# Altium PCB Einsy_Rambo.PcbDoc (part 4 of 5)
Units mm, origin at the board's own origin, x right, y up, seen from the top; angles counter-clockwise.
Board outline 105 x 71 mm, 6 copper layers (Top, GND, Signal Layer 1, Supply, Signal Layer 2, Bottom), stack 1.571 mm thick; 439 components, 313 nets, 1472 pads, 965 vias.
Unrouted connection lines stored in the file: 3.
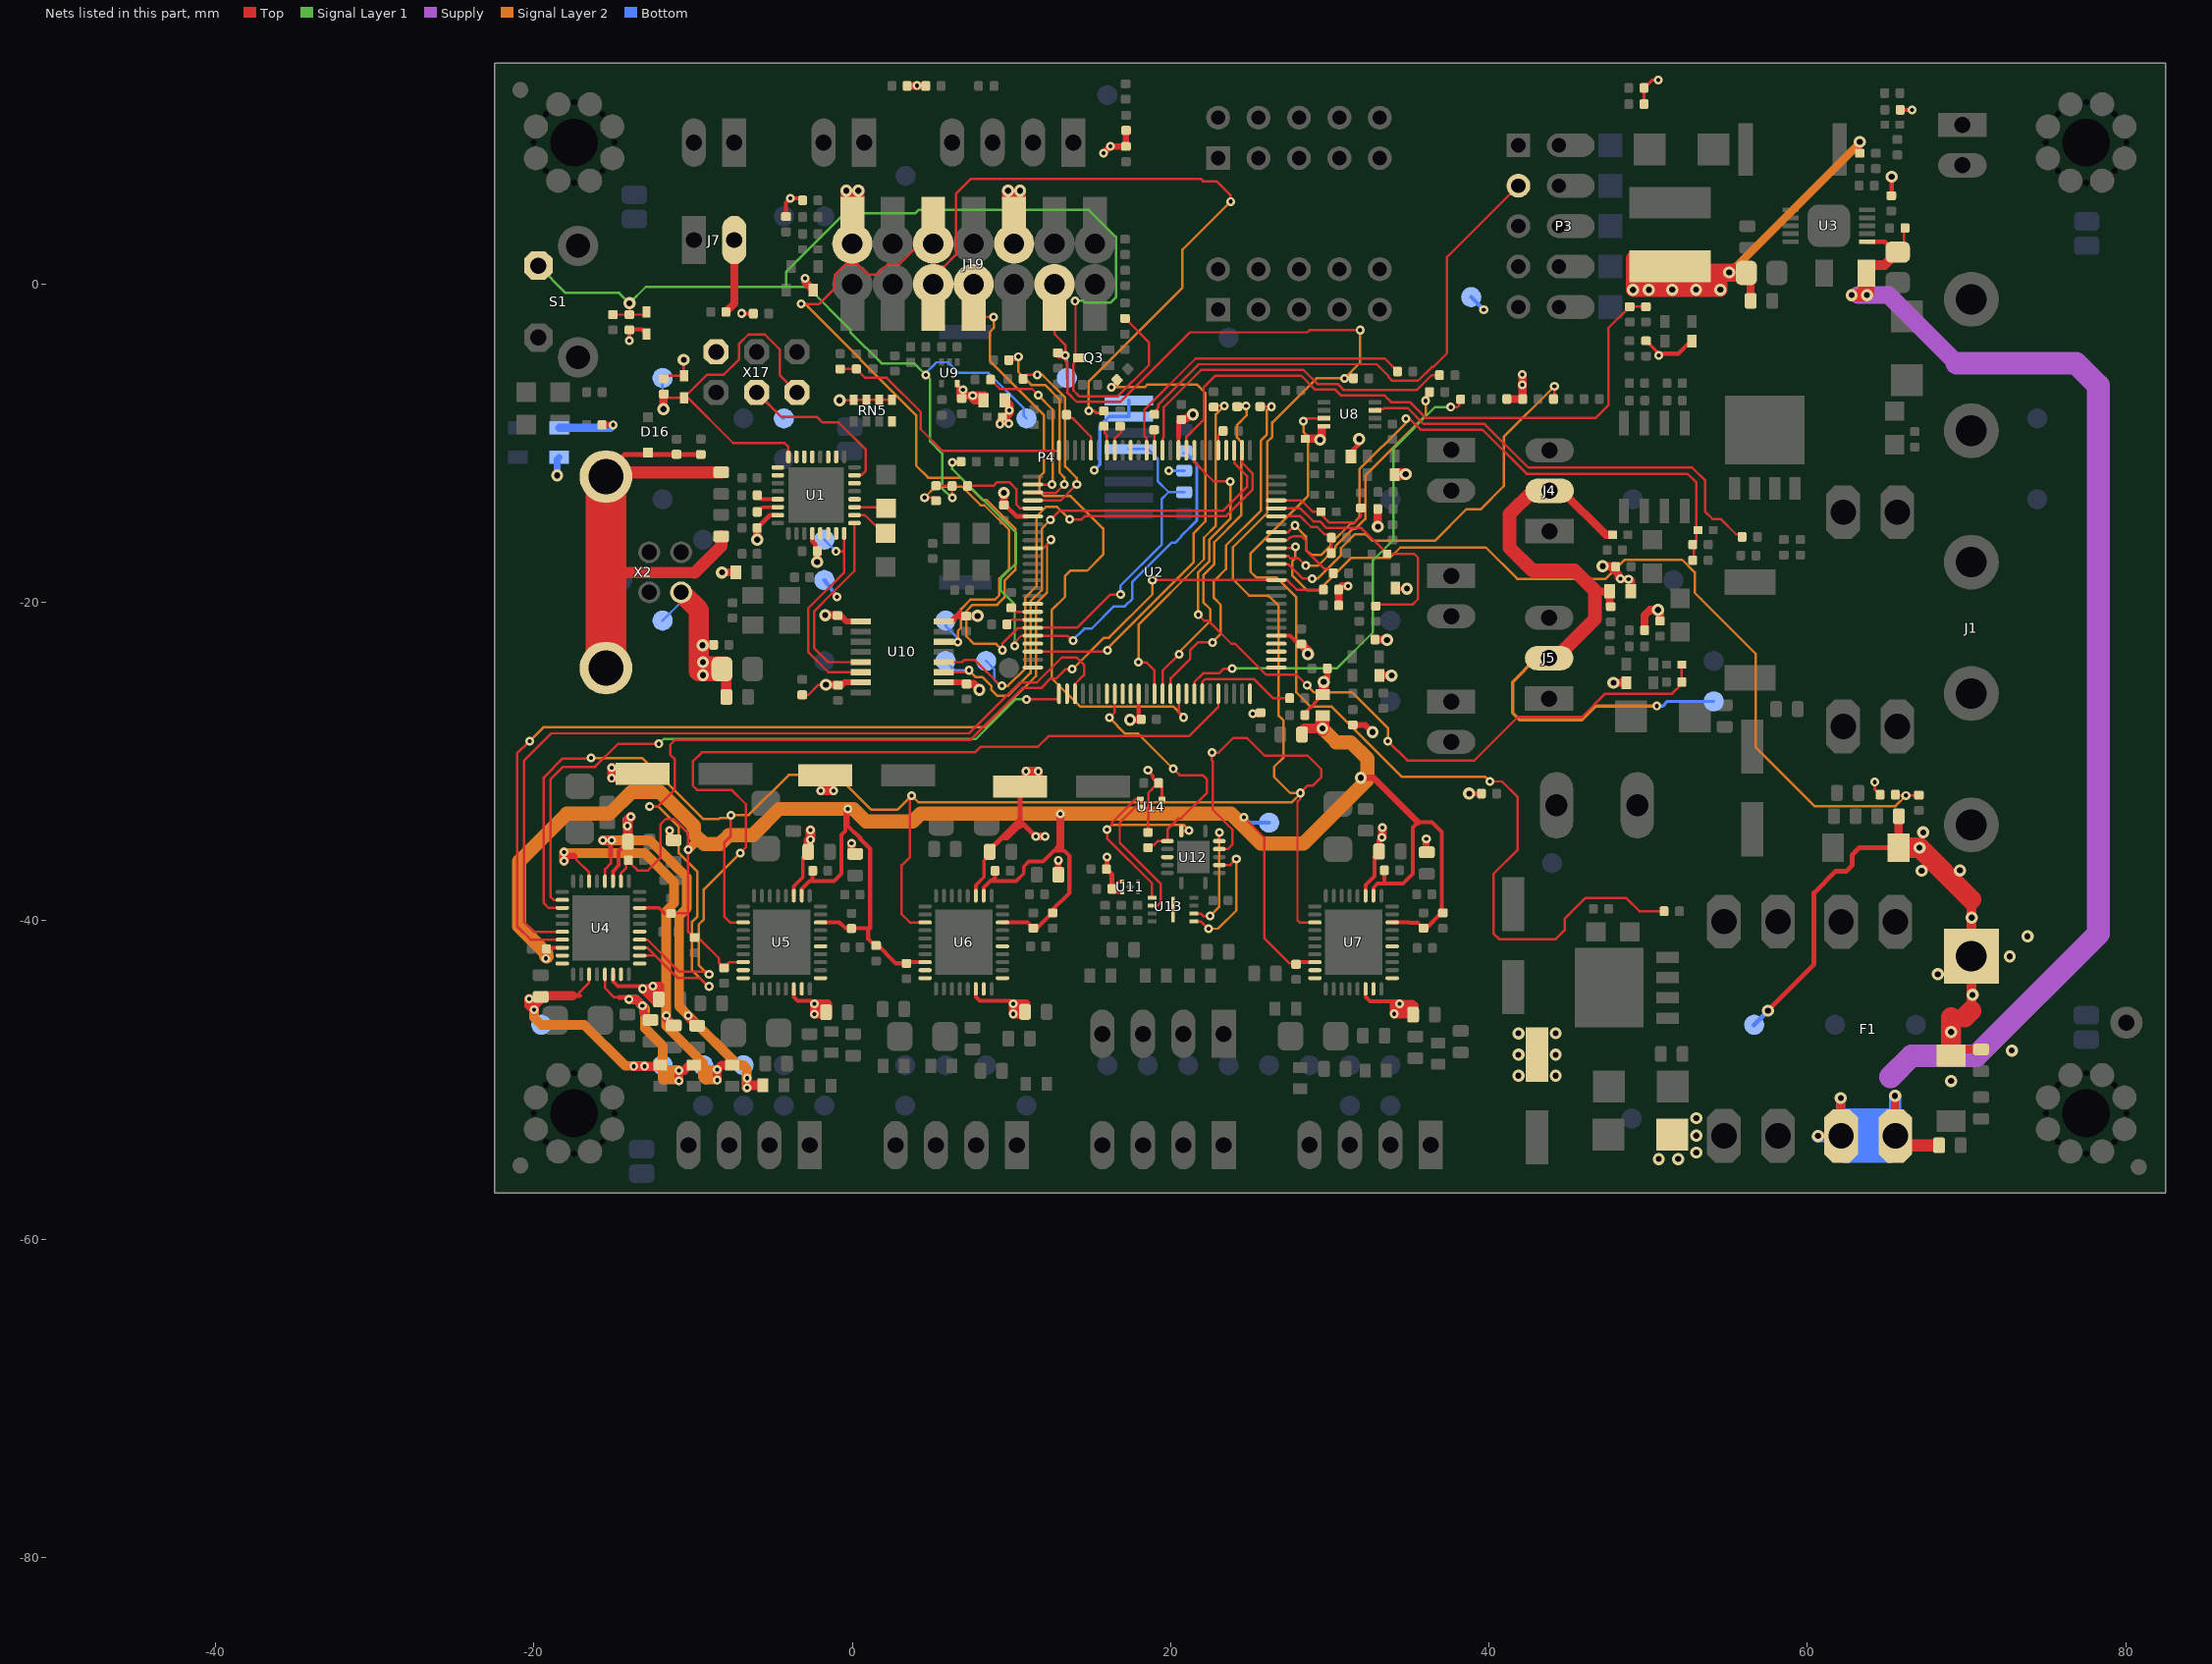
[diagram p8: the nets of this part, all layers, seen from the top]

## Via types
v1: diameter 0.559, hole 0.254, Top to Bottom, tented both sides, 359 vias
v2: diameter 0.559, hole 0.254, Top to Bottom, 326 vias
v3: diameter 0.762, hole 0.381, Top to Bottom, 230 vias
v4: diameter 0.762, hole 0.381, Top to Bottom, tented both sides, 42 vias
v5: diameter 0.737, hole 0.381, Top to Bottom, tented both sides, 4 vias
v6: diameter 0.813, hole 0.381, Top to Bottom, tented both sides, 4 vias

## Nets (pads, with @x,y where several pads share a name; then routed paths per layer and width w, separated by ;. In a path a pad name is that pad's centre, name@x,y a point inside that pad or via, vN(x,y) a via of type N, cw(c..) or ccw(c..) an arc to the next point about the centre after c; other vN are vias at no path point) (continued)
NetR27_1: R27.1 U2.21 | length 2.6
  Top w0.152: R27.1@13.455,-8.2 13.68,-8.425 13.828,-8.425 14.987,-9.585 U2.21@14.987,-10.091
NetR34_2: R34.2 U2.19 | length 1.6
  Top w0.152: R34.2@15.85,-8.933 15.85,-9.35 15.987,-9.487 U2.19@15.987,-10.441
NetR42_1: R42.1 U8.7 | length 60.6
  Top w0.152: v1@28.264,-8.56 28.395,-8.429 U8.7@29.642,-8.429 ; v2(40.049,-31.248) 40.811,-31.248 41.802,-32.239 41.802,-35.541 40.278,-37.065 40.278,-40.799 40.634,-41.154 44.19,-41.154 44.748,-40.596 44.748,-39.884 46.069,-38.564 48.609,-38.564 49.447,-39.402 R42.1@50.999,-39.402
  Signal Layer 2 w0.152: v1@28.238,-8.585 v1@28.264,-8.56 ; v1(28.34,-8.61) 28.34,-9.28 28.62,-9.56 28.62,-13.33 25.013,-16.937 25.013,-18.066 25.394,-18.447 26.664,-18.447 27.9,-19.683 27.9,-25.65 28.8,-26.55 30.119,-26.55 34.512,-30.944 39.745,-30.944 v2(40.049,-31.248)
NetR56_1: R56.1 U8.3 | length 27.6
  Top w0.152: U8.3@32.842,-7.929 32.915,-7.856 33.358,-7.856 33.434,-7.78 34.89,-7.78 35.895,-8.784 39.724,-8.784 42.478,-11.538 52.775,-11.538 53.588,-12.351 53.588,-14.307 54.038,-14.757 54.559,-14.757 55.524,-15.723 55.692,-15.723 R56.1@55.902,-15.932
NetRN5_8: RN5.8
NetRV24_2: RV24.2 U2.30 | length 5.2
  Top w0.152: RV24.2@7.233,-12.884 7.447,-12.67 8.869,-12.67 9.092,-12.447 9.866,-12.447 10.31,-12.891 10.31,-13.85 10.551,-14.091 U2.30@10.987,-14.091
NetU1_5: U1.5
NetU1_6: U1.6
NetU1_7: U1.7
NetU1_12: U1.12
NetU1_14: U1.14
NetU1_18: U1.18
NetU1_19: U1.19
NetU1_21: U1.21
NetU1_22: U1.22
NetU1_23: U1.23
NetU1_25: U1.25
NetU1_26: U1.26
NetU2_4: U2.4
NetU2_16: U2.16
NetU2_42: U2.42
NetU2_47: U2.47
NetU2_50: U2.50
NetU2_52: U2.52
NetU2_57: U2.57
NetU2_59: U2.59
NetU2_60: U2.60
NetU2_67: U2.67
NetU2_75: U2.75
NetU2_76: U2.76
NetU2_77: U2.77
NetU2_78: U2.78
NetU2_79: U2.79
NetU4_9: U4.9
NetU4_10: U4.10
NetU4_17: U4.17
NetU4_19: U4.19
NetU4_23: U4.23
NetU5_9: U5.9
NetU5_10: U5.10
NetU5_17: U5.17
NetU5_19: U5.19
NetU5_23: U5.23
NetU6_9: U6.9
NetU6_10: U6.10
NetU6_17: U6.17
NetU6_19: U6.19
NetU6_23: U6.23 | length 0
  Top w0.152: U6.23@9.434,-41.606 9.429,-41.606 U6.23@9.46,-41.637
NetU7_9: U7.9
NetU7_10: U7.10
NetU7_17: U7.17
NetU7_19: U7.19
NetU7_23: U7.23
NetU12_3: U12.3 U13.5 | length 7.8
  Top w0.152: U13.5@21.47,-40.05 21.897,-40.05 22.347,-40.5 v1(22.375,-40.5) ; U12.3@23.056,-36.5 23.75,-36.5 v1(24.125,-36.125)
  Signal Layer 2 w0.152: v1(22.375,-40.5) 22.975,-40.5 24.125,-39.35 v1(24.125,-36.125)
NetU12_6: U12.6 U13.6 | length 7.1
  Top w0.152: U13.6@21.47,-39.55 21.9,-39.55 22.05,-39.7 v1(22.475,-39.7) ; v1(23.05,-34.45) 23.056,-34.456 U12.6@23.056,-35
  Signal Layer 2 w0.152: v1(22.475,-39.7) 23.05,-39.125 v1(23.05,-34.45)
NetU12_8: U12.8 U13.1 U14.1 | length 14.4
  Top w0.152: 17.45,-32.696 16.319,-33.827 16.319,-33.956 v1(16,-34.275) 16,-34.815 18.83,-37.645 U13.1@18.83,-38.55 ; 17.45,-32.695 17.799,-32.347 U14.1@18.1,-32.347 ; U12.8@20.675,-34.369 21.144,-34.369 21.15,-34.364 v1(21.15,-34.325)
  Signal Layer 2 w0.152: v1(16,-34.275) 16.301,-33.974 20.799,-33.974 v1(21.15,-34.325)
NetU12_11: U12.11
NetU13_2: U13.2 U14.2 | length 8.4
  Top w0.152: U14.2@18.1,-32.85 17.799,-32.85 16.8,-33.849 16.8,-35.112 19.384,-37.696 19.384,-38.841 19.181,-39.044 19.181,-39.05 U13.2@18.83,-39.05
NetU13_9: U13.9
nRESET: C1.1 C10.2 D3.A FB53.2 Q3.3 R46.1 RV24.1 S1.1 TP37.TP | length 96
  Top w0.152: C1.1@-15.043,-1.919 D3.A@-13.109,-1.919 ; R46.1@-14.278,-1.919 R46.1@-14.103,-1.745 ; R46.1@-14.002,-1.914 v3(-14.002,-1.2) ; C10.2@5.26,-12.657 6.243,-12.657 RV24.1@6.27,-12.684 v1@6.27,-13.418 ; v1@6.267,-13.421 v1@6.27,-13.418 ; v1(6.274,-13.414) v1@6.27,-13.418 ; v1(13.995,-1.067) 14.025,-1.096 Q3.3@14.025,-4.7 ; Q3.3@14.275,-4.625 13.886,-5.014 13.886,-6.683 14.247,-7.044 16.685,-7.044 18.65,-5.079 18.65,-3.673 FB53.2@17.13,-2.153
  Signal Layer 1 w0.152: S1.1@-19.724,1.161 -18.012,-0.55 -14.652,-0.55 v3(-14.002,-1.2) -12.979,-0.178 -4.17,-0.178 ; v1@6.274,-13.614 6.274,-13.464 5.64,-12.83 5.64,-10.64 4.878,-9.878 4.878,-5.968 3.889,-4.979 1.831,-4.979 -0.12,-3.027 -0.12,-2.87 -2.812,-0.178 -4.17,-0.178 ; v1@13.992,-1.07 v1(13.995,-1.067) 14.022,-1.04 14.49,-1.04 14.618,-1.168 16.222,-1.168 16.56,-0.83 16.56,2.96 14.865,4.655 4.156,4.655 3.965,4.464 -0.466,4.464 -4.17,0.76 -4.17,-0.178
  Signal Layer 2 w0.152: v1@13.964,-1.099 v1(13.995,-1.067)
  Bottom w0.152: v1@4.48,-5.72 5.29,-4.91 6.02,-4.91 6.69,-5.58 8.547,-5.58 10.78,-7.813 10.78,-8.278 TP37.TP@10.941,-8.439 ; v1@4.56,-5.64 4.63,-5.71 v1(4.63,-5.72) ; v1@6.274,-13.614 v1(6.274,-13.414)
PC5: R83.2 U2.58 U12.9 | length 15.7
  Top w0.152: v1(16.15,-27.25) 16.487,-26.913 U2.58@16.487,-25.741 ; R83.2@18.7,-35.483 19.183,-35 U12.9@19.794,-35 19.794,-34.272 20.501,-33.565 20.674,-33.565 22.289,-31.95 22.289,-31.114 22.025,-30.85 20.56,-30.85 v1(20.17,-30.46)
  Signal Layer 2 w0.152: v1(16.15,-27.25) 17.15,-28.25 17.96,-28.25 v1(20.17,-30.46)
PD5: FB27.2 U2.48 | length 30.6
  Top w0.152: U2.48@10.987,-23.095 15.985,-23.095 16.03,-23.05 v1(16.03,-23.01) ; v1(16.275,-6.475) 16.634,-6.116 FB27.2@16.634,-6.016
  Signal Layer 2 w0.152: v1(16.03,-23.01) 16.03,-22.883 21.429,-17.484 21.429,-15.664 22.175,-14.918 22.175,-6.835 21.665,-6.325 18.516,-6.325 18.366,-6.475 v1(16.275,-6.475)
PE3: FB37.2 U2.5 | length 1.4
  Top w0.152: U2.5@22.987,-10.441 22.987,-9.549 22.978,-9.539 FB37.2@23.292,-9.225
PF5: FB28.1 U2.92 | length 5.1
  Top w0.152: U2.92@26.637,-16.091 27.329,-16.091 27.481,-15.939 27.73,-15.83 28.22,-15.83 28.5,-16.11 28.5,-16.722 29.666,-17.888 29.986,-17.888 30.22,-18.122 FB28.1@30.377,-18.122
PF6: R60.1 RT1.2 U2.91 | length 56.9
  Top w0.152: U2.91@26.637,-16.591 27.749,-16.591 v1(27.84,-16.5) ; R60.1@65.481,-32.106 65.507,-32.131 v1(66.192,-32.131) 66.98,-32.131 RT1.2@67.005,-32.106
  Signal Layer 2 w0.152: v1(27.84,-16.5) 27.84,-17.22 27.635,-17.425 27.635,-18.298 28.587,-19.25 29.302,-19.25 31.356,-17.196 33.782,-17.196 34.428,-16.55 39.807,-16.55 41.774,-18.517 47.323,-18.517 48.525,-17.315 52.132,-17.315 52.92,-18.103 52.92,-19.392 53.329,-19.801 56.744,-23.216 56.744,-29.083 60.452,-32.791 65.532,-32.791 v1(66.192,-32.131)
PF7: FB26.1 U2.90 | length 16.4
  Top w0.152: U2.90@26.988,-17.091 27.381,-17.091 27.52,-17.23 28.028,-17.23 v2(28.49,-17.692) ; v1(36.02,-7.33) 36.02,-6.996 FB26.1@36.26,-6.756
  Signal Layer 2 w0.152: v2(28.49,-17.692) 29.25,-17.692 30.37,-16.572 30.37,-16.448 31.447,-15.37 31.61,-15.37 32.23,-14.75 32.23,-12.042 36.02,-8.252 v1(36.02,-7.33)
PG3: FB31.2 U2.28 | length 13
  Top w0.152: FB31.2@9.833,-4.775 10.179,-4.775 10.395,-4.559 v1(10.433,-4.559) ; U2.28@10.987,-13.091 11.034,-13.138 12.77,-13.138 13.303,-12.605 v1@13.361,-12.605
  Signal Layer 2 w0.152: v1(10.433,-4.559) 10.433,-5.519 11.244,-6.33 12.107,-6.33 13.02,-7.243 13.02,-11.85 13.324,-12.154 v1(13.324,-12.579)
PG4: FB29.2 U2.29 | length 12.8
  Top w0.152: FB29.2@10.662,-6.026 10.662,-6.013 10.946,-5.729 10.926,-5.709 11.601,-5.709 v1(11.61,-5.7) ; U2.29@10.987,-13.591 13.104,-13.591 14.095,-12.601 v1(14.101,-12.601)
  Signal Layer 2 w0.152: v1(11.61,-5.7) 11.944,-5.7 13.371,-7.127 13.371,-11.457 14.101,-12.186 v1(14.101,-12.601)
PH2: FB24.1 U2.14 | length 19.8
  Top w0.152: U2.14@18.487,-10.091 18.487,-9.675 18.343,-9.531 18.343,-7.901 21.565,-4.678 33.451,-4.678 FB24.1@34.266,-5.493
PH6: FB25.2 U2.18 | length 1.8
  Top w0.152: U2.18@16.487,-10.441 16.487,-9.702 16.875,-9.314 FB25.2@16.875,-8.85
PH7: FB30.1 U2.27 | length 11
  Top w0.152: FB30.1@8.678,-6.001 9.265,-6.588 11.298,-6.588 v1(11.68,-6.97) ; U2.27@10.987,-12.591 12.413,-12.591 v1@12.421,-12.599
  Signal Layer 2 w0.152: v1@11.675,-6.975 12.593,-7.893 12.593,-12.523 v1(12.537,-12.579) ; v1(11.68,-6.97) 11.68,-6.819 v1@11.69,-6.809 ; v1@12.421,-12.599 v1@12.421,-12.579
PJ2: FB33.1 U2.65 | length 22.8
  Top w0.152: U2.65@20.003,-26.092 20.003,-24.766 21.24,-23.529 21.24,-22.99 21.712,-22.518 v1(22.63,-22.518) ; FB33.1@25.622,-7.7 25.652,-7.67 25.682,-7.7 v2(26.33,-7.7)
  Signal Layer 2 w0.152: v1(22.63,-22.518) 22.592,-22.518 23.15,-21.96 23.15,-20.159 22.716,-19.724 22.716,-18.664 23.475,-17.905 23.475,-16.42 25.68,-14.215 25.68,-9.821 26.051,-9.45 26.051,-7.903 26.275,-7.68 26.31,-7.68 v2(26.33,-7.7)
PJ3: J19.7 U2.66 | length 41.2
  Top w0.152: J19.7@7.182,-2.064 v1(8.884,-2.064) ; U2.66@20.511,-26.092 20.511,-26.936 v1(20.8,-27.225)
  Signal Layer 2 w0.152: v1(8.884,-2.064) 8.884,-2.765 8.63,-3.019 8.63,-4.821 12.04,-8.231 12.04,-11.81 11.772,-12.078 11.772,-13.046 12.046,-13.32 13.723,-13.32 15.76,-15.357 15.76,-17 14.75,-18.01 13.69,-18.01 13.374,-18.326 13.374,-19.635 12.52,-20.488 12.52,-24.756 14.304,-26.54 20.165,-26.54 20.8,-27.175 v1(20.8,-27.225)
PJ5: FB50.1 U2.68 | length 31.4
  Top w0.152: U2.68@21.502,-26.092 21.502,-24.987 22.035,-24.454 23.036,-24.454 23.331,-24.16 23.849,-24.16 v1(23.86,-24.149) ; v1(37.6,-7.73) 38.017,-7.73 38.137,-7.61 ; 38.137,-7.63 38.137,-7.61 ; FB50.1@38.217,-7.24 38.137,-7.32 38.137,-7.61
  Signal Layer 1 w0.152: v1(23.86,-24.149) 30.44,-24.149 32.697,-21.891 32.697,-17.363 34,-16.06 34,-10.33 36.6,-7.73 v1(37.6,-7.73)
PK0: FB51.2 U2.89 | length 26.1
  Top w0.152: U2.89@26.637,-17.591 27.391,-17.591 28.31,-18.51 v1(28.89,-18.51) ; FB51.2@44.051,-7.22 44.11,-7.161 v1(44.11,-6.41)
  Signal Layer 2 w0.152: v1(28.89,-18.51) 29.22,-18.51 30.7,-17.03 30.7,-16.584 31.574,-15.71 32.26,-15.71 32.68,-16.13 36.591,-16.13 38.561,-14.16 39.458,-14.16 40.923,-12.694 40.923,-9.597 v1(44.11,-6.41)
PROC_nCS: J19.5 R34.1 | length 45.8
  Top w0.152: J19.5@5.188,-1.569 3.956,-0.337 3.956,0.451 4.625,1.12 5.78,1.12 6.502,1.842 6.502,5.664 7.453,6.614 21.887,6.614 22.04,6.461 22.876,6.461 23.762,5.575 v1(23.762,5.188)
  Top w0.178: v1(14.85,-7.975) 15.2,-7.975 15.3,-8.075 R34.1@15.8,-8.075
  Signal Layer 2 w0.152: v1(14.85,-7.975) 14.85,-6.511 14.85,-6.11 20.745,-0.215 20.745,2.171 v1(23.762,5.188)
PWR-IN: C84.1 C86.1 FB1.1 FB2.1 J1.1 TP66.TP | length 35.6
  Top w0.305: v3(57.525,-45.65) 57.525,-45.625 60.42,-42.729 60.42,-38.259 61.792,-36.887 62.452,-36.887 62.808,-36.532 62.808,-35.871 63.265,-35.414 FB2.1@65.731,-35.414
  Top w0.508: FB2.1@65.731,-35.414 65.731,-33.45 C86.1@65.748,-33.433 ; FB1.1@69.031,-48.467 69.403,-48.094 C84.1@70.91,-48.094
  Top w0.61: 70.301,-45.65 J1.1@70.301,-42.262 ; J1.1@70.301,-41.263 70.301,-38.665
  Top w1.27: FB2.1@65.731,-35.414 v3(67.05,-35.414) 70.301,-38.665 ; FB1.1@69.031,-48.467 v3(69.031,-46.996) 69.031,-46.057 ; 69.894,-46.057 70.301,-45.65
  Bottom w0.305: TP66.TP@56.661,-46.539 v3@57.537,-45.663
  other v3: 69.031,-50.07 72.847,-48.158 70.377,-44.66 68.193,-43.364 72.714,-42.247 73.831,-40.977 70.326,-39.808 67.177,-36.862 69.59,-36.836 67.278,-34.449
PWR_MON: C121.1 R53.1 R66.1 U2.93 | length 40.2
  Top w0.152: U2.93@26.637,-15.591 27.386,-15.591 v2(27.813,-15.164) ; v2(34.77,-8.45) 35.008,-8.45 35.698,-9.14 39.577,-9.14 42.356,-11.919 52.47,-11.919 53.029,-12.478 53.029,-16.11 R53.1@52.705,-16.434 ; R66.1@52.752,-17.355 52.864,-17.243 R53.1@52.864,-16.364
  Signal Layer 2 w0.152: v2(27.813,-15.164) 28.5,-15.851 28.5,-16.689 28.819,-17.008 29.467,-17.008 30.035,-16.44 30.035,-16.315 31.31,-15.04 31.473,-15.04 31.863,-14.65 31.863,-11.635 34.77,-8.728 v2(34.77,-8.45)
RD+: R2.2 U1.29 | length 1.4
  Top w0.229: R2.2@-5.975,-13.265 -5.725,-13.515 U1.29@-4.68,-13.515
RD-: R1.2 U1.30 | length 1.5
  Top w0.229: R1.2@-5.999,-14.376 -5.638,-14.015 U1.30@-4.68,-14.015
RESET2: D4.A R47.1 TP44.TP U1.24 X17.5 | length 24.1
  Top w0.152: -11.868,-7.225 -11.798,-7.155 D4.A@-10.568,-7.155 -10.568,-7.139 -9.125,-5.696 -8.084,-5.696 -7.105,-4.717 -7.105,-3.739 -6.533,-3.167 -5.493,-3.167 -4.565,-4.095 -4.565,-5.707 X17.5@-3.473,-6.799 ; D4.A@-10.441,-7.028 -7.489,-9.98 -4.254,-9.98 -4.02,-10.215 U1.24@-4.02,-10.852
  Top w0.508: v4(-11.868,-7.855) -11.868,-7.225
  Signal Layer 2 w0.152: v4@-11.919,-7.804 v4(-11.868,-7.855)
  Bottom w0.152: v4@-11.919,-7.804 TP44.TP@-11.919,-5.899
RST-IO: C10.1 TP29.TP U10.14 | length 19.7
  Top w0.152: v1(4.54,-13.41) 5.055,-13.41 C10.1@5.26,-13.615
  Top w0.305: U10.14@5.737,-22.472 6.612,-22.472 v1(6.63,-22.49)
  Signal Layer 2 w0.152: v1@4.54,-13.61 v1@4.74,-13.41 ; v1(4.54,-13.41) 5.23,-12.72 6.883,-12.72 8.063,-13.9 8.306,-13.9 9.85,-15.444 9.85,-17.886 9.23,-18.506 9.23,-19.553 8.963,-19.82 7.423,-19.82 6.83,-20.413 6.83,-21.593 6.63,-21.793 v1(6.63,-22.49)
  Bottom w0.152: TP29.TP@5.861,-21.139 5.861,-21.469 6.63,-22.238 v1(6.63,-22.49)
RX0: TP30.TP U2.2 U10.12 | length 36.2
  Top w0.152: U10.12@5.737,-23.754 6.903,-23.754 7.055,-23.603 7.684,-23.603 9.32,-25.24 v1(9.4,-25.24) ; v1(13.66,-14.79) 14.4,-14.79 14.604,-14.586 23.467,-14.586 25.15,-12.903 25.15,-11.9 24.499,-11.249 U2.2@24.499,-10.091
  Signal Layer 2 w0.152: v1(9.4,-25.24) 9.774,-25.24 10.869,-24.144 10.869,-19.691 11.576,-18.984 11.576,-14.582 12.168,-13.99 12.86,-13.99 v1(13.66,-14.79)
  Bottom w0.152: TP30.TP@8.401,-23.679 8.913,-24.191 8.913,-24.843 9.31,-25.24 v1(9.4,-25.24)
RX0-I: TP25.TP U1.9 U10.5 | length 13.9
  Top w0.152: v1(-0.972,-19.641) -1.226,-19.387 ; U1.9@0.142,-15.006 U1.9@0.133,-15.015 0.133,-18.028 -1.226,-19.387 ; U10.5@0.521,-23.754 -1.519,-23.754 -2.39,-22.883 -2.39,-20.551 -1.226,-19.387
  Signal Layer 2 w0.254: v1@-0.997,-19.615 v1(-0.972,-19.641)
  Bottom w0.254: TP25.TP@-1.759,-18.599 v1@-0.997,-19.615
RX1: J19.6 P4.4 R86.1 R87.2 U2.45 | length 66.7
  Top w0.152: v1(-3.226,-1.245) -2.083,-1.245 -1.118,-0.279 -1.118,0.559 -0.432,1.245 0.34,1.245 1.003,0.582 1.537,0.582 2.2,1.245 2.946,1.245 3.92,2.218 3.92,2.802 5.207,4.089 J19.6@5.283,4.089 ; v1(9.43,-23) 9.43,-22.588 9.426,-22.584 10.414,-21.596 U2.45@10.987,-21.596 ; U2.45@11.337,-21.591 14.119,-21.591 16.21,-19.5 v1(16.85,-19.5)
  Signal Layer 2 w0.152: v1(-3.226,-1.245) -2.972,-1.245 4.013,-8.23 4.013,-11.403 4.77,-12.16 6.79,-12.16 8.2,-13.57 8.443,-13.57 10.24,-15.367 10.24,-17.964 9.56,-18.643 9.56,-19.69 9.1,-20.15 7.56,-20.15 7.16,-20.55 7.16,-22.13 7.636,-22.606 9.036,-22.606 v1(9.43,-23)
  Bottom w0.152: v1(16.85,-19.5) 16.85,-18.95 19.425,-16.375 19.425,-13.515 19.87,-13.07 ; P4.4@17.375,-10.365 18.58,-10.365 19.2,-10.985 19.2,-12.4 19.87,-13.07 ; R87.2@20.85,-13.07 19.87,-13.07
RX2: FB46.1 U2.12 | length 21.9
  Top w0.152: U2.12@19.487,-10.441 19.487,-9.705 19.572,-9.621 19.572,-7.732 21.914,-5.389 28.342,-5.389 29.232,-6.279 30.489,-6.279 30.854,-6.644 35.475,-6.644 36.399,-5.72 FB46.1@36.89,-5.72
RX3: FB36.1 U2.63 | length 22.1
  Top w0.152: v1(17.977,-23.755) 18.459,-23.755 18.987,-24.283 U2.63@18.987,-26.092 ; FB36.1@22.701,-7.725 22.777,-7.65 v2(23.36,-7.65)
  Signal Layer 2 w0.152: v1(17.977,-23.755) 17.977,-21.403 22.09,-17.29 22.09,-15.938 22.842,-15.186 22.842,-8.168 v2(23.36,-7.65)
RXL: LED10.C U1.10 | length 2.4
  Top w0.152: U1.10@0.133,-14.515 0.787,-14.515 1.929,-15.657 LED10.C@2.096,-15.657
SCK: FB49.2 FB60.2 J19.11 TP55.TP U4.3 U5.3 U6.3 U7.3 U12.5 | length 171.5
  Top w0.152: U4.3@-18.214,-39.192 -19.089,-39.192 -19.387,-38.894 -19.387,-30.994 -18.193,-29.801 -16.415,-29.801 v1(-16.415,-29.775) ; v1@-7.652,-33.357 -7.652,-34.703 -8.03,-35.081 -8.03,-39.761 -7.684,-40.106 U5.3@-6.851,-40.106 ; v1(3.727,-32.137) 3.626,-32.239 3.626,-35.998 3.105,-36.519 3.105,-39.592 3.619,-40.106 U6.3@4.579,-40.106 ; J19.11@12.7,-1.765 12.7,-3.139 13.386,-3.825 v1@13.386,-4.477 ; v1@13.386,-4.483 13.386,-4.831 13.531,-4.976 13.531,-6.831 14.1,-7.4 16.832,-7.4 21.203,-3.029 28.596,-3.029 28.735,-2.89 v1(31.9,-2.89) ; U12.5@23.056,-35.5 23.6,-35.5 23.875,-35.225 23.875,-34.253 22.644,-33.022 22.644,-29.968 22.59,-29.913 v1(22.59,-29.43) 23.017,-29.43 23.928,-28.519 24.797,-28.519 25.908,-29.631 28.611,-29.631 29.475,-30.495 29.475,-30.975 28.95,-31.5 28.625,-31.5 v1(28.15,-31.975) 28.15,-32.34 27.965,-32.525 27.965,-39.967 28.105,-40.106 U7.3@29.065,-40.106
  Top w0.305: v1(30.92,-5.92) FB49.2@31.48,-5.92
  Top w0.406: FB60.2@12.825,-4.317 12.984,-4.477 v1(13.379,-4.477)
  Signal Layer 2 w0.152: v1(-16.415,-29.775) -13.202,-29.775 -9.373,-33.604 -8.382,-33.604 -8.331,-33.553 -7.798,-33.553 v1(-7.62,-33.376) ; v1@-7.62,-33.357 -6.509,-33.357 -3.994,-30.842 -0.997,-30.842 1.187,-33.026 2.838,-33.026 v1(3.727,-32.137) 4.146,-32.557 27.591,-32.557 27.603,-32.569 28.198,-31.975 v1(28.15,-31.975) ; v1(13.379,-4.477) v1@13.481,-4.578 ; v1@22.499,-29.34 v1(22.59,-29.43) v1(22.59,-29.43) 22.59,-29.431 v1@22.744,-29.585 ; v1@28.2,-31.896 28.15,-31.946 v1(28.15,-31.975) ; v1(31.9,-2.89) 31.9,-4.94 v1(30.92,-5.92) 29.161,-5.92 26.382,-8.7 26.382,-9.587 26.066,-9.902 26.066,-14.377 23.92,-16.523 23.92,-18.558 24.927,-19.564 26.133,-19.564 26.782,-20.214 26.782,-27.126 27.09,-27.433 27.09,-29.74 26.5,-30.33 26.5,-30.967 27.508,-31.975 v1(28.15,-31.975)
  Bottom w0.152: TP55.TP@13.481,-5.899 v1@13.481,-4.578
SCK2: TP45.TP U1.15 X17.3 | length 13.4
  Top w0.152: X17.3@-5.507,-6.799 X17.3@-6.013,-6.799 -4.449,-8.363 -2.208,-8.363 -1.886,-8.685 -0.868,-8.685 0.844,-10.397 0.844,-11.72 0.569,-11.995 U1.15@0.133,-11.995
  Bottom w0.152: X17.3@-6.013,-6.799 -4.373,-8.439 TP45.TP@-4.299,-8.439
SCL: FB47.2 U2.43 | length 1.5
  Top w0.152: FB47.2@9.975,-20.343 10.224,-20.591 U2.43@11.337,-20.591
SD_SS: FB34.2 U2.69 | length 7.2
  Top w0.152: U2.69@21.987,-25.741 21.987,-25.005 22.182,-24.81 25.229,-24.81 26.435,-26.016 FB34.2@27.476,-26.016 ; U2.69@22.01,-26.092 U2.69@22.01,-25.741
SDA: FB48.2 U2.44 | length 1.7
  Top w0.152: FB48.2@9.713,-21.38 10.001,-21.091 U2.44@11.337,-21.091
TACH_0: C42.1 R44.1 U2.8 | length 50.9
  Top w0.152: U2.8@21.487,-10.441 21.487,-11.178 22.71,-12.4 v1(23.75,-12.4) ; U2.8@21.502,-10.441 U2.8@21.502,-10.091 ; v1(21.725,-20.775) 22.089,-21.139 22.355,-21.139 23.816,-22.6 24.048,-22.6 25.991,-24.543 27.908,-24.543 v1(28.569,-25.203) ; v1(33.649,-28.708) 34.868,-29.928 39.084,-29.928 41.827,-27.184 45.866,-27.184 47.314,-25.737 51.505,-25.737 52.112,-25.13 R44.1@52.112,-25 52.112,-23.913 C42.1@52.107,-23.908
  Signal Layer 2 w0.152: v1(21.725,-20.775) 21.725,-18.122 22.42,-17.427 22.42,-16.074 23.75,-14.744 v1(23.75,-12.4) ; v1(28.569,-25.203) 29.026,-25.66 31.413,-25.66 33.649,-27.896 v1(33.649,-28.708)
TACH_1: C43.1 R45.1 U2.9 | length 39
  Top w0.152: U2.9@20.994,-10.091 20.994,-9.588 22.075,-8.507 22.075,-6.475 22.805,-5.745 28.195,-5.745 29.084,-6.634 30.341,-6.634 30.707,-7 33.441,-7 33.851,-7.41 35.033,-7.41 36.043,-8.42 46.691,-8.42 47.492,-7.619 47.492,-2.765 R45.1@48.838,-1.419 ; R45.1@48.857,-1.424 C43.1@49.868,-1.424